# Altium PCB 200330 PRECHARGE R3.PcbDoc (part 3 of 3)
Units mm, origin at the board's own origin, x right, y up, seen from the top; angles counter-clockwise.
Board outline 140 x 119 mm, 4 copper layers (Top Layer, Int1 (GND), Int2 (PWR), Bottom Layer), stack 1.369 mm thick; 247 components, 139 nets, 764 pads, 397 vias.
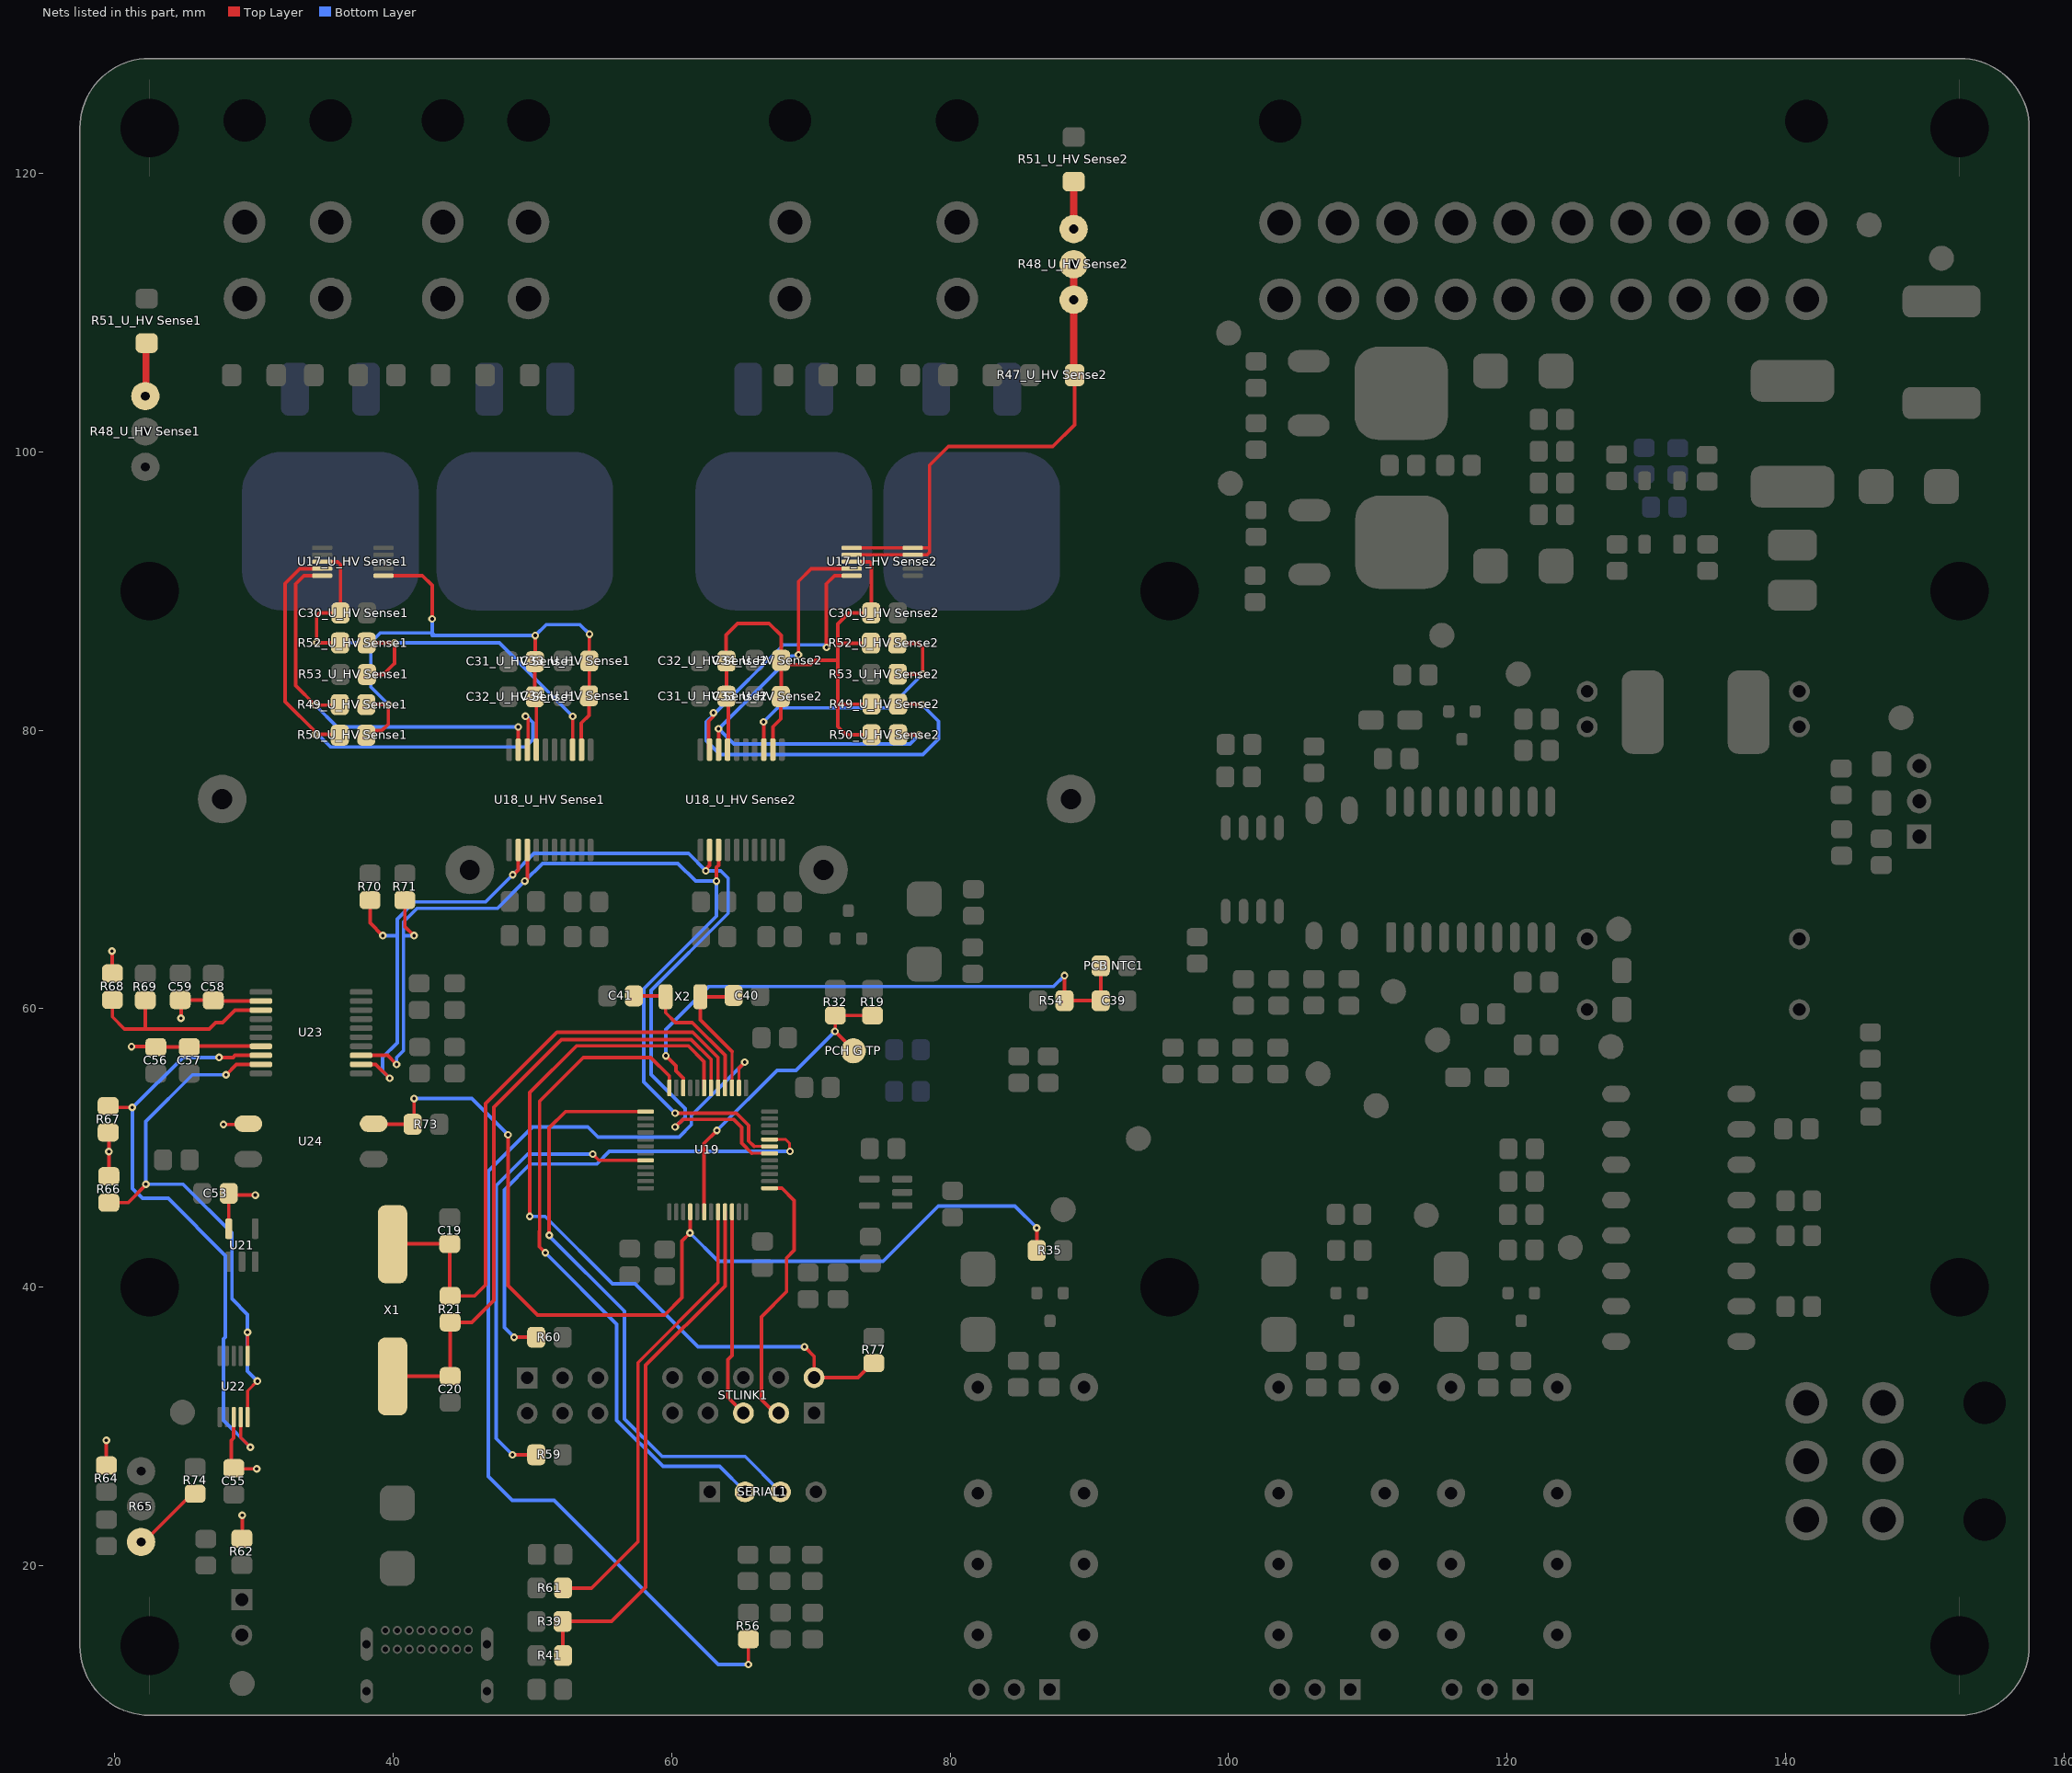
[diagram p5: the nets of this part, all layers, seen from the top]

## Via types
v1: diameter 0.55, hole 0.25, Top Layer to Bottom Layer, tented both sides, 349 vias
v2: diameter 0.66, hole 0.33, Top Layer to Bottom Layer, tented both sides, 47 vias
v3: diameter 0.66, hole 0.33, Top Layer to Bottom Layer, 1 vias

## Nets (pads, with @x,y where several pads share a name; then routed paths per layer and width w, separated by ;. In a path a pad name is that pad's centre, name@x,y a point inside that pad or via, vN(x,y) a via of type N, cw(c..) or ccw(c..) an arc to the next point about the centre after c; other vN are vias at no path point) (continued)
"NetR47_U_HV Sense2_1": "R47_U_HV Sense2.1" "R48_U_HV Sense2.2" "R48_U_HV Sense2.3" "U17_U_HV Sense2.4" "U17_U_HV Sense2.5" "U17_U_HV Sense2.6" "U17_U_HV Sense2.7" | length 40.7
  Top Layer w0.254: 72.925,92.6 77.325,92.6 78.35,92.6 78.525,92.775 78.525,93.1 ; 72.925,93.1 77.525,93.1 78.525,93.1 ; 88.94,105.5 88.94,101.94 87.375,100.375 79.875,100.375 78.525,99.025 78.525,93.1
  Top Layer w0.508: 88.875,113.46 88.875,110.92 88.875,105.565 88.94,105.5
"NetR48_U_HV Sense1_1": "R48_U_HV Sense1.1" "R51_U_HV Sense1.2" | length 3.8
  Top Layer w0.508: 22.2,104 22.25,104.05 22.25,107.75 22.3,107.8
"NetR48_U_HV Sense2_1": "R48_U_HV Sense2.1" "R51_U_HV Sense2.2" | length 3.4
  Top Layer w0.508: 88.875,116 88.875,119.4
"NetR49_U_HV Sense1_1": "R49_U_HV Sense1.1" "U17_U_HV Sense1.10" "U18_U_HV Sense1.19" | length 30.1
  Top Layer w0.254: 34.902,91.1 33.6,91.1 33,90.5 33,83.2 v1(34.4,81.8) 36.125,81.8 36.168,81.843 ; 48.982,78.6 v1(48.982,80.232)
  Bottom Layer w0.254: v1(34.4,81.8) 35.968,80.232 v1(48.982,80.232)
"NetR49_U_HV Sense2_1": "R49_U_HV Sense2.1" "U17_U_HV Sense2.10" "U18_U_HV Sense2.19" | length 44.1
  Top Layer w0.254: 62.72,78.606 62.659,78.667 62.659,80.646 63,80.986 v1(63,81.25) ; v1(71.12,85.954) 71.12,90.52 71.7,91.1 72.925,91.1 ; 76.258,81.874 77.943,81.874 v1(77.978,81.839)
  Bottom Layer w0.254: v1(71.12,85.954) 70.942,86.131 68.021,86.131 63.14,81.25 v1(63,81.25) 63,81.11 62.484,80.594 62.484,79.248 63.475,78.257 78.054,78.257 79.172,79.375 79.172,80.645 v1(77.978,81.839)
"NetR50_U_HV Sense1_1": "R50_U_HV Sense1.1" "U17_U_HV Sense1.9" "U18_U_HV Sense1.18" | length 37.2
  Top Layer w0.254: 34.902,91.6 33.3,91.6 32.25,90.55 32.25,82.05 34.4,79.9 v1(34.4,79.7) 36.11,79.7 36.168,79.642 ; v1(49.504,81.004) 49.694,80.814 49.694,78.661 49.632,78.6
  Bottom Layer w0.254: v1(34.4,79.7) 34.6,79.7 35.5,78.8 49.5,78.8 50.05,79.35 50.05,80.55 v1@49.6,81
"NetR50_U_HV Sense2_1": "R50_U_HV Sense2.1" "U17_U_HV Sense2.9" "U18_U_HV Sense2.18" | length 35.6
  Top Layer w0.254: 63.37,78.606 v1(63.37,80.109) ; v1(69.113,85.42) 69.113,90.688 70.025,91.6 72.925,91.6 ; 76.258,79.674 v1(77.781,79.674)
  Bottom Layer w0.254: v1(69.113,85.42) 69.026,85.333 68.594,85.333 v1(63.37,80.109) 64.46,79.019 77.126,79.019 v1(77.781,79.674)
NetR59_1: R59.1 U19.20 | length 33.4
  Top Layer w0.203: 54.777,49.109 U19.20@58.134,49.109
  Top Layer w0.254: v1(48.569,27.961) R59.1@50.275,27.961 ; v1(54.331,49.555) 54.777,49.109
  Bottom Layer w0.254: v1(48.569,27.961) 47.396,29.134 47.396,47.295 49.657,49.555 v1(54.331,49.555)
NetR60_2: R60.2 U19.44 | length 36.3
  Top Layer w0.203: U19.44@67.034,50.609 68.191,50.609 68.47,50.33 68.47,49.78 v1(68.5,49.75)
  Top Layer w0.254: v1(48.688,36.402) R60.2@50.274,36.402
  Bottom Layer w0.254: v1(48.688,36.402) 47.981,37.109 47.981,46.99 49.835,48.844 54.625,48.844 55.531,49.75 v1(68.5,49.75)
NetR65_3: R65.3 R74.2 | length 5.3
  Top Layer w0.254: R65.3@21.9,21.7 22.091,21.7 25.553,25.162 R74.2@25.774,25.162
NetR66_1: R66.1 U22.1 U22.10 U23.19 | length 41.3
  Top Layer w0.203: U22.10@29.55,30.668 29.55,32.55 v1(30.25,33.25)
  Top Layer w0.254: R66.1@19.584,46.069 20.973,46.069 22.242,47.338 v1(22.242,47.392) ; v1(28,55.25) 28.75,56 U23.19@30.5,56 ; v1(29.54,36.754) 29.545,36.749 29.545,35.072 U22.1@29.55,35.068
  Bottom Layer w0.254: v1(28,55.25) 25.582,55.25 22.242,51.91 v1(22.242,47.392) 24.91,47.392 28.429,43.872 28.429,39.143 29.54,38.032 29.54,33.96 v1(30.25,33.25)
NetR67_1: R67.1 U22.9 U23.18 | length 44.1
  Top Layer w0.254: R67.1@19.532,53.007 19.535,53.01 19.637,52.908 v1(21.26,52.908) ; v1(27.5,56.5) 28.5,56.5 28.65,56.65 U23.18@30.5,56.65 ; U22.9@29.05,30.668 29.054,30.664 29.054,29.196 v1(29.75,28.5)
  Bottom Layer w0.254: v1(27.5,56.5) 24.902,56.5 21.285,52.883 21.285,47.09 22,46.375 23.843,46.375 27.957,42.26 27.957,36.421 27.813,36.277 27.813,30.437 v1(29.75,28.5)
NRST: R77.1 STLINK1.2 U19.7 | length 56
  Top Layer w0.254: v1(49.809,45.085) 49.809,53.975 53.166,57.332 61.207,57.332 62.334,56.205 U19.7@62.334,54.309 ; v1(69.545,35.712) 70.231,35.027 STLINK1.2@70.231,33.503 73.391,33.503 74.426,34.538 R77.1@74.526,34.538
  Bottom Layer w0.254: v1(49.809,45.085) 50.915,45.085 55.75,40.25 57.362,40.25 61.9,35.712 v1(69.545,35.712)
PC13: R56.1 U19.2 | length 72.7
  Top Layer w0.203: U19.2@64.834,54.309 64.834,55.741
  Top Layer w0.254: 64.834,55.741 v1(65.253,56.159) ; v1(65.514,12.895) R56.1@65.514,14.711
  Bottom Layer w0.254: v1(65.253,56.159) 61.418,52.325 61.418,51.663 60.545,50.789 54.711,50.789 53.989,51.511 50.013,51.511 46.838,48.336 46.838,26.412 48.559,24.691 51.56,24.691 63.355,12.895 v1(65.514,12.895)
"PCB TEMP": "PCB NTC1.2" C39.2 R54.1 U19.10 | length 41.8
  Top Layer w0.203: U19.10@60.834,54.309 60.834,55.014
  Top Layer w0.254: v1(59.588,56.617) 60.315,55.89 60.315,55.533 60.834,55.014 ; v1(88.218,62.378) R54.1@88.218,60.576 C39.2@90.818,60.576 90.818,63.076
  Bottom Layer w0.254: v1(59.588,56.617) 59.588,58.504 62.682,61.598 87.438,61.598 v1(88.218,62.378)
"PDOC OK (ISO)": R35.1 R73.1 U19.28 U24.4 | length 73.3
  Top Layer w0.254: U24.4@38.6,51.74 38.64,51.7 R73.1@41.4,51.7 41.504,51.804 v1(41.504,53.543) ; v1(48.247,50.94) 48.247,40.119 50.368,37.998 59.498,37.998 60.75,39.25 60.75,43.326 v1(61.316,43.891) 61.325,43.9 61.325,45.4 U19.28@61.334,45.409 ; R35.1@86.223,42.634 v1(86.223,44.257)
  Bottom Layer w0.254: v1(41.504,53.543) 45.644,53.543 v1(48.247,50.94) ; v1(61.316,43.891) 63.348,41.859 75.184,41.859 79.146,45.822 84.658,45.822 v1(86.223,44.257)
"Precharge Relay (ISO)": "PCH G TP.1" R19.2 R32.1 U19.30 | length 23.4
  Top Layer w0.254: U19.30@62.334,45.409 62.334,50.328 63.25,51.244 v1(63.25,51.25) ; R32.1@71.756,59.515 71.756,58.395 v1(71.73,58.369) 73.05,57.048 73.05,56.972 ; R32.1@71.757,59.515 R19.2@74.42,59.515
  Bottom Layer w0.254: v1(63.25,51.25) 63.25,51.256 67.569,55.575 68.936,55.575 v1(71.73,58.369)
SCL: "U18_U_HV Sense1.2" "U18_U_HV Sense2.2" R70.1 U19.42 U23.2 | length 78.7
  Top Layer w0.203: 65.758,49.609 U19.42@67.034,49.609
  Top Layer w0.254: U23.2@37.7,56 38.75,56 v1(39.75,55) ; R70.1@38.338,67.796 38.338,66.162 v1(39.25,65.25) ; v1(48.59,69.621) 48.641,69.621 48.982,69.963 48.982,71.4 ; v1(60.25,51.5) 60.256,51.5 60.8,52.045 64.461,52.045 65.024,51.482 65.024,50.343 65.758,49.609 ; v1(62.459,69.901) 62.459,70.025 62.72,70.286 62.72,71.406
  Bottom Layer w0.254: v1(39.25,65.25) 40.286,65.25 ; v1(39.75,55) 39.25,55.5 39.25,56.506 40.286,57.542 40.286,65.25 ; v1(60.25,51.5) 60.256,51.5 60.961,52.205 60.961,52.831 58.522,55.27 58.522,61.304 64.059,66.841 64.059,69.367 63.525,69.901 v1(62.459,69.901) 61.214,71.145 50.114,71.145 v1(48.59,69.621) 46.634,67.666 41.517,67.666 40.286,66.434 40.286,65.25
SDA: "U18_U_HV Sense1.3" "U18_U_HV Sense2.3" R71.1 U19.43 U23.3 | length 74.4
  Top Layer w0.203: 65.918,50.109 U19.43@67.034,50.109
  Top Layer w0.254: U23.3@37.7,56.65 39.6,56.65 v1(40.25,56) ; R71.1@40.838,67.796 40.838,65.912 v1(41.5,65.25) ; v1(49.454,69.164) 49.632,69.343 49.632,71.4 ; v1(60.25,52.5) 60.252,52.502 64.651,52.502 65.532,51.62 65.532,50.495 65.918,50.109 ; v1(63.221,69.164) 63.221,70.152 63.37,70.301 63.37,71.406
  Bottom Layer w0.254: v1(40.25,56) 40.25,56.5 40.743,56.993 40.743,65.25 ; v1(41.5,65.25) 40.743,65.25 ; v1(60.25,52.5) 58,54.75 58,61.429 63.221,66.65 v1(63.221,69.164) 61.722,69.164 60.452,70.434 50.724,70.434 v1(49.454,69.164) 47.498,67.208 41.707,67.208 40.743,66.245 40.743,65.25
SWCLK: STLINK1.3 U19.37 | length 19.1
  Top Layer w0.254: U19.37@67.034,47.109 67.92,47.109 68.806,46.223 68.806,42.656 68.25,42.1 68.25,39.675 66.446,37.871 66.446,31.928 67.412,30.963 STLINK1.3@67.691,30.963
SWDIO: STLINK1.5 U19.34 | length 15
  Top Layer w0.254: U19.34@64.334,45.409 64.334,35.084 64.033,34.783 64.033,32.08 STLINK1.5@65.151,30.963
UARTRX: SERIAL1.3 U19.13 | length 43.9
  Top Layer w0.254: v1(51.206,43.732) 51.206,51.435 52.381,52.609 U19.13@58.134,52.609
  Bottom Layer w0.254: v1(51.206,43.732) 51.206,43.688 56.617,38.278 56.617,30.531 59.309,27.838 65.278,27.838 SERIAL1.3@67.818,25.298
UARTTX: SERIAL1.2 U19.12 | length 48.6
  Top Layer w0.254: v1(50.927,42.469) 50.495,42.901 50.495,44.027 50.521,44.052 50.521,53.365 53.655,56.5 58.5,56.5 59.834,55.166 U19.12@59.834,54.309
  Bottom Layer w0.254: v1(50.927,42.469) 56.058,37.338 56.058,30.443 59.374,27.127 63.449,27.127 SERIAL1.2@65.278,25.298
USBDM: R61.2 U19.32 | length 32.8
  Top Layer w0.254: R61.2@52.203,18.389 54.254,18.389 57.582,21.717 57.582,34.582 63.334,40.334 U19.32@63.334,45.409
USBDP: R39.1 R41.2 U19.33 | length 38.8
  Top Layer w0.254: R41.2@52.203,13.536 52.179,13.561 R39.1@52.179,15.994 55.694,15.994 58.141,18.441 58.141,34.391 63.834,40.084 U19.33@63.834,45.409
VDDISO: C53.2 C55.1 C56.2 C57.2 C58.2 C59.1 R62.2 R64.2 R66.2 R67.2 R68.2 U21.5 U22.8 U23.12 U23.17 U24.1 | length 36.6
  Top Layer w0.254: R64.2@19.4,27.2 19.329,27.271 19.4,27.341 v1(19.4,29) ; R67.2@19.532,51.107 19.584,51.054 v1(19.584,49.733) R66.2@19.584,47.969 ; v1(19.812,64.135) 19.812,62.559 R68.2@19.838,62.533 ; v1(21.209,57.277) 22.92,57.277 C56.2@22.956,57.241 C57.2@25.356,57.241 25.443,57.328 30.472,57.328 U23.17@30.5,57.3 ; v1(24.765,59.309) 24.765,60.57 C59.1@24.713,60.621 27.058,60.621 C58.2@27.082,60.597 27.129,60.55 U23.12@30.5,60.55 ; v1(27.813,51.689) 29.549,51.689 U24.1@29.6,51.74 ; U21.5@28.194,44.196 C53.2@28.194,46.736 28.321,46.609 v1(30.099,46.609) ; U22.8@28.55,30.668 28.55,29.164 28.372,28.986 28.372,27.178 C55.1@28.55,27 28.6,26.949 v1(30.201,26.949) ; R62.2@29.134,21.941 29.159,21.966 v1(29.159,23.622)
"VDDISO_U_HV Sense1": "C30_U_HV Sense1.1" "C31_U_HV Sense1.2" "C32_U_HV Sense1.2" "C33_U_HV Sense1.2" "C34_U_HV Sense1.1" "R49_U_HV Sense1.2" "R50_U_HV Sense1.2" "R52_U_HV Sense1.2" "U17_U_HV Sense1.1" "U17_U_HV Sense1.8" "U18_U_HV Sense1.12" "U18_U_HV Sense1.17" | length 65
  Top Layer w0.254: 34.902,92.1 36,92.1 36.216,91.884 36.216,88.422 34.722,88.422 34.5,88.2 v1(34.5,86.3) 34.526,86.274 36.192,86.274 ; 38.068,79.642 38.391,79.966 39.18,79.966 39.657,80.443 v1(39.657,81.857) 38.082,81.857 38.068,81.843 ; 39.302,91.1 42.1,91.1 42.8,90.4 v1(42.8,88) ; v1(50.2,86.8) 50.2,84.906 50.18,84.927 50.18,82.401 50.286,82.295 50.286,78.603 50.282,78.6 ; 53.532,78.6 53.514,78.618 53.514,80.514 54.062,81.062 54.062,82.473 54.086,82.498 54.086,84.968 54.086,86.886 v1(54.1,86.9)
  Bottom Layer w0.254: v1(34.5,86.3) 38.4,86.3 ; v1(39.657,81.857) 38.4,83.114 38.4,86.3 ; v1(42.8,88) 42.8,86.886 ; 42.9,86.886 42.8,86.886 ; v1(54.1,86.9) 53.414,87.586 50.986,87.586 v1(50.2,86.8) 42.8,86.8 42.8,86.886 ; 38.4,86.3 39.085,86.985 42.7,86.985 42.8,86.886
"VDDISO_U_HV Sense2": "C30_U_HV Sense2.1" "C31_U_HV Sense2.2" "C32_U_HV Sense2.2" "C33_U_HV Sense2.2" "C34_U_HV Sense2.1" "R49_U_HV Sense2.2" "R50_U_HV Sense2.2" "R52_U_HV Sense2.2" "U17_U_HV Sense2.8" "U18_U_HV Sense2.12" "U18_U_HV Sense2.17" | length 48.4
  Top Layer w0.254: 64.02,78.606 64.082,78.667 64.082,82.298 63.938,82.442 63.938,84.968 63.9,85.006 63.9,86.85 64.725,87.675 67,87.675 67.862,86.813 67.862,85.02 ; 67.27,78.606 67.27,80.25 67.838,80.817 67.838,82.421 67.862,82.445 67.862,85.02 ; 72.925,92.1 74.226,92.1 74.345,91.981 74.345,88.433 74.334,88.422 72.722,88.422 71.942,87.642 71.942,86.253 ; 74.309,86.253 71.942,86.253 ; 74.358,79.674 72.523,79.674 71.942,80.255 71.942,81.874 ; 74.358,81.874 71.942,81.874 ; 67.862,85.02 68.173,84.709 69.999,84.709 70.31,85.02 71.942,85.02 ; 71.942,81.874 71.942,85.02 ; 71.942,85.02 71.942,86.253
VSEL: R68.1 R69.2 U23.13 | length 14.9
  Top Layer w0.254: R68.1@19.838,60.633 19.838,59.41 20.701,58.547 22.225,58.547 ; R69.2@22.199,60.609 22.199,58.573 22.225,58.547 ; U23.13@30.5,59.9 28.65,59.9 27.75,59 27.25,59 26.797,58.547 22.225,58.547
"VSEL_U_HV Sense1": "R52_U_HV Sense1.1" "R53_U_HV Sense1.2" "U18_U_HV Sense1.13" | length 23.2
  Top Layer w0.254: 38.092,86.274 v1(40.1,86.274) 40.1,84.8 40.048,84.748 39.301,84.001 38.116,84.001 ; 52.882,78.6 52.9,78.618 v1(52.9,81)
  Bottom Layer w0.254: v1(40.1,86.274) 47.626,86.274 v1(52.9,81)
"VSEL_U_HV Sense2": "R52_U_HV Sense2.1" "R53_U_HV Sense2.2" "U18_U_HV Sense2.13" | length 20.5
  Top Layer w0.254: v1(66.599,80.594) 66.62,80.573 66.62,78.606 ; 76.209,86.253 77.722,86.253 78.029,85.946 v1(78.029,84.023) 76.235,84.023 76.234,84.022
  Bottom Layer w0.254: v1(66.599,80.594) 67.615,81.61 75.616,81.61 v1(78.029,84.023)
XTALA: C19.2 R21.2 U19.5 X1.2 | length 45.5
  Top Layer w0.203: U19.5@63.334,54.309 63.334,56.498
  Top Layer w0.254: X1.2@39.958,43.085 39.978,43.105 C19.2@44.064,43.105 44.064,39.399 R21.2@44.095,39.367 45.844,39.367 46.634,40.157 46.634,53.184 51.768,58.318 61.514,58.318 63.334,56.498
XTALB: C20.2 R21.1 U19.6 X1.1 | length 45.9
  Top Layer w0.203: U19.6@62.834,54.309 62.834,56.352
  Top Layer w0.254: X1.1@39.958,33.585 39.978,33.605 C20.2@44.095,33.605 R21.1@44.095,37.467 45.646,37.467 47.225,39.046 47.225,52.925 52.089,57.789 61.397,57.789 62.834,56.352
XTALC: C40.2 U19.3 X2.1 | length 9.9
  Top Layer w0.203: U19.3@64.334,54.309 64.334,56.925
  Top Layer w0.254: 64.334,56.925 62.063,59.196 X2.1@62.063,60.858 64.361,60.858 C40.2@64.449,60.946
XTALD: C41.2 U19.4 X2.2 | length 11.3
  Top Layer w0.254: C41.2@57.287,60.92 59.501,60.92 X2.2@59.563,60.858 59.563,59.715 60.278,59 61.479,59 63.834,56.645 U19.4@63.834,54.309
pads on no net: "AMS Bypass1.1" "HV BATTERY+." "HV BATTERY-." "HV IMD+." "HV IMD-." "HV MC+." "HV MC-." "IMD Bypass1.1" "PDOC Bypass1.1" "PRIMARY INTERFACE." "U17_U_HV Sense1.2" "U17_U_HV Sense2.2" "U18_U_HV Sense1.6" "U18_U_HV Sense1.15" "U18_U_HV Sense2.6" "U18_U_HV Sense2.15" K1.4 K1.6 K1.8 K1.11 K3.4 K3.6 K3.8 K3.11 K4.4 K4.6 K4.8 K4.11 P1. P2.A8 P2.B8 P2.P2 P2.P3 P2.P4 R11. R14. R16. R17. STLINK1.4 STLINK1.6 STLINK1.9 STLINK1.10 U1.2 U1.14 U5.9 U5.11 U19.11 U19.14 U19.15 U19.16 U19.17 U19.27 U19.40 U19.41 U22.2 U22.6 U22.7 U23.6 U23.15
copper on no net: | length 0.1
  Top Layer w0.254: 122.667,20.727 122.725,20.67
  other v2: 139.925,40.45

## Polygon pours and split planes (outlines as drawn)
GNDISO on Top Layer "Top Layer-GNDISO" (solid, remove dead copper, pour order 78): 17.5,67 31.1,67 31.1,9.25 17.5,9.25
"0V (ISO)" on Top Layer "Top Layer-0V (ISO)" (solid, remove dead copper, pour order 74): 37.1,72 37.1,9.25 72.3,9.25 72.3,32 129.3,32 129.3,67 105.8,67 98.7,67 85.4,67 80.4,72
GLV- on Top Layer "Top Layer-GLV-" (solid, remove dead copper, pour order 70): 98.7,128.225 98.7,73 105.8,73 135.4,73 135.4,26 78.3,26 78.3,9.25 157.5,9.25 157.5,128.253
NetD4_A on Top Layer "Top Layer-NetD4_A" (solid, pour order 48): 69.5,72 80.4,72 83.5,68.9 83.5,66 69.5,66
GLV- on Top Layer "Top Layer-GLV- 3" (solid, pour order 66): 136,108 147,108 147,102 136,102
NetC21_2 on Top Layer "Top Layer-No Net 3" (solid, pour order 68): 136.25,100.25 148.5,100.25 148.5,94 146,91.5 136.25,91.5
"3.3V (ISO)" on Top Layer "Top Layer-3.3V (ISO) 1" (solid, pour order 58): 71.5,47 75.5,47 75.5,42.5 71.5,42.5
GLV- on Top Layer "Top Layer-GLV- 4" (solid, pour order 56): 134.5,85 142.5,85 142.5,77.5 134.5,77.5
12V/24V on Top Layer "Top Layer-12V/24V 2" (solid, pour order 54): 124.5,85 132.5,85 132.5,77.5 124.5,77.5
GLV- on Top Layer "Top Layer-GLV- 5" (solid, pour order 52): 103.3,92.55 108.3,92.55 108.3,88.05 103.3,88.05
GLV- on Top Layer "Top Layer-GLV- 6" (solid, pour order 50): 103.25,103.25 108.25,103.25 108.25,98.75 103.25,98.75
no net on Top Layer "Top Layer-No Net 4" (solid, pour order 64): 136.7,107.8
no net on Top Layer "Top Layer-No Net 5" (solid, pour order 62): 136.7,107.8
no net on Top Layer "Top Layer-No Net 6" (solid, pour order 60): 136.7,107.8
GNDISO on Bottom Layer "Bottom Layer-GNDISO" (solid, remove dead copper, pour order 82): 17.5,67 31.1,67 31.1,9.25 17.5,9.25
"0V (ISO)" on Bottom Layer "Bottom Layer-0V (ISO)" (solid, remove dead copper, pour order 76): 37.1,72 37.1,9.25 72.3,9.25 72.3,32 129.3,32 129.3,67 105.8,67 98.7,67 85.375,67 80.375,72
GLV- on Bottom Layer "Bottom Layer-GLV-" (solid, remove dead copper, pour order 72): 98.7,128.25 98.7,73 105.8,73 135.4,73 135.4,26 78.3,26 78.3,9.25 157.5,9.25 157.5,128.25
no net on Top Overlay (solid): 17.5,67
GNDISO on Int1 (GND) (split plane): 31.098,65.656 31.098,9.76 22.5,9.76 22.482,9.758 22.206,9.767 21.914,9.796 21.624,9.844 21.337,9.911 21.056,9.996 20.781,10.1 20.513,10.221 20.254,10.36 20.004,10.515 19.765,10.686 19.538,10.873 19.324,11.074 19.123,11.288 18.936,11.515 18.765,11.754 18.61,12.004 18.471,12.263 18.35,12.531 18.246,12.806 18.161,13.087 18.094,13.374 18.046,13.664 18.018,13.956 18.008,14.232 18.01,14.25 18.01,66.998 29.756,66.998
GLV- on Int1 (GND) (split plane): 152.794,127.733 153.086,127.704 153.376,127.656 153.663,127.589 153.944,127.504 154.219,127.4 154.487,127.279 154.746,127.14 154.996,126.985 155.235,126.814 155.462,126.627 155.676,126.426 155.877,126.212 156.064,125.985 156.235,125.746 156.39,125.496 156.529,125.237 156.65,124.969 156.754,124.694 156.839,124.413 156.906,124.126 156.954,123.836 156.982,123.544 156.992,123.268 156.99,123.25 156.99,14.25 156.992,14.232 156.982,13.956 156.954,13.664 156.906,13.374 156.839,13.087 156.754,12.806 156.65,12.531 156.529,12.263 156.39,12.004 156.235,11.754 156.064,11.515 155.877,11.288 155.676,11.074 155.462,10.873 155.235,10.686 154.996,10.515 154.746,10.36 154.487,10.221 154.219,10.1 153.944,9.996 153.663,9.911 153.376,9.844 153.086,9.796 152.794,9.767 152.518,9.758 152.5,9.76 78.302,9.76 78.302,25.998 135.4,26 135.4,73 98.752,73.002 98.752,125.24 98.752,127.74 152.5,127.74 152.518,127.742
"0V (ISO)" on Int1 (GND) (split plane): 85.356,66.998 129.398,66.998 129.398,32.002 129.375,32.025 72.3,32.025 72.3,9.763 72.3,9.76 37.102,9.76 37.102,71.998 80.356,71.998
VDDISO on Int2 (PWR) (split plane): 31,67 31,9.76 22.5,9.76 22.482,9.758 22.206,9.767 21.914,9.796 21.624,9.844 21.337,9.911 21.056,9.996 20.781,10.1 20.513,10.221 20.254,10.36 20.004,10.515 19.765,10.686 19.538,10.873 19.324,11.074 19.123,11.288 18.936,11.515 18.765,11.754 18.61,12.004 18.471,12.263 18.35,12.531 18.246,12.806 18.161,13.087 18.094,13.374 18.046,13.664 18.018,13.956 18.008,14.232 18.01,14.25 18.01,67
"5V (ISO)" on Int2 (PWR) (split plane): 85.259,67 129.3,67 129.3,32.005 129.277,32.027 72.202,32.027 72.202,9.76 37.005,9.76 37.005,72 80.259,72
5V on Int2 (PWR) (split plane): 152.794,127.733 153.086,127.704 153.376,127.656 153.663,127.589 153.944,127.504 154.219,127.4 154.487,127.279 154.746,127.14 154.996,126.985 155.235,126.814 155.462,126.627 155.676,126.426 155.877,126.212 156.064,125.985 156.235,125.746 156.39,125.496 156.529,125.237 156.65,124.969 156.754,124.694 156.839,124.413 156.906,124.126 156.954,123.836 156.982,123.544 156.992,123.268 156.99,123.25 156.99,14.25 156.992,14.232 156.982,13.956 156.954,13.664 156.906,13.374 156.839,13.087 156.754,12.806 156.65,12.531 156.529,12.263 156.39,12.004 156.235,11.754 156.064,11.515 155.877,11.288 155.676,11.074 155.462,10.873 155.235,10.686 154.996,10.515 154.746,10.36 154.487,10.221 154.219,10.1 153.944,9.996 153.663,9.911 153.376,9.844 153.086,9.796 152.794,9.767 152.518,9.758 152.5,9.76 78.205,9.76 78.205,26 135.302,26.002 135.302,43.418 135.308,43.408 135.35,43.38 135.4,43.371 151.5,43.371 151.55,43.38 151.592,43.408 151.62,43.45 151.629,43.5 151.62,43.55 151.592,43.592 151.55,43.62 151.5,43.629 135.4,43.629 135.35,43.62 135.308,43.592 135.302,43.582 135.302,73.002 98.655,73.005 98.655,90.371 126.621,90.371 126.621,89.5 126.63,89.45 126.658,89.408 126.7,89.38 126.75,89.371 126.8,89.38 126.842,89.408 126.87,89.45 126.879,89.5 126.879,90.5 126.879,127.74 152.5,127.74 152.518,127.742
"3.3V (ISO)" on Int2 (PWR) (split plane): 75.371,52.446 75.371,37.129 66.5,37.129 66.45,37.12 66.408,37.092 66.38,37.05 66.371,37 66.371,21.129 58.054,21.129 53.092,26.092 53.05,26.12 53,26.129 48.554,26.129 46.629,28.054 46.629,53.946 51.554,58.871 68.946,58.871
"AIR Power" on Int2 (PWR) (split plane): 126.621,90.629 98.655,90.629 98.655,127.74 126.621,127.74

## Keep-outs
Keep-Out Layer:
  circle w0.254: c152.5,123.25 r5
  circle w0.254: c152.5,90 r5
  circle w0.254: c152.5,40 r5
  circle w0.254: c152.5,14.25 r5
  circle w0.254: c22.5,14.25 r5
  circle w0.254: c22.5,123.25 r4.8
  circle w0.254: c95.75,90 r5
  circle w0.254: c95.75,40 r5
  circle w0.254: c22.5,40 r5
  circle w0.254: c22.5,90 r5
  lines w0.254: 17.5,14.25 ccw(c22.5,14.25) 22.5,9.25 152.5,9.25 ccw(c152.5,14.25) 157.5,14.25 157.5,123.25 ccw(c152.5,123.25) 152.5,128.25 22.5,128.25 ccw(c22.5,123.25) 17.5,123.25 17.5,14.25

## Other copper
Top Layer:
  drawing of 44 lines, arcs and shapes, not listed
  text "Team Swinburne" at 124.599,16.788 h3.05
  text "Team Swinburne" at 124.599,16.788 h3.05
  text "Formula SAE" at 135.775,15.391 h1.78
  text "Formula SAE" at 135.775,15.391 h1.78
  text "Precharge Controller R3" at 136.95,14.502 h1.02
  text "Precharge Controller R3" at 136.95,14.502 h1.02
  text "26/02/2020 - P.M.C" at 139.065,13.513 h1.02
  text "26/02/2020 - P.M.C" at 139.065,13.513 h1.02
Bottom Layer:
  drawing of 48 lines, arcs and shapes, not listed
Int1 (GND) (plane layer: these items are gaps in the copper):
  rectangle: 69.215,24.105 71.577,26.492
  rectangle: 69.037,29.769 71.399,32.029
  rectangle: 53.467,29.845 55.829,34.569
  rectangle: 37.4,12.55 47.65,16.625
  rectangle: 46.175,13.05 47.35,15.65
  rectangle: 139.725,114.725 143.2,118.15
  rectangle: 118.725,114.725 122.2,118.15
  rectangle: 110.325,109.225 113.8,112.65
  rectangle: 101.925,109.225 105.4,112.65
  rectangle: 125,11 135.35,16.3
  rectangle: 145.443,15.291 146.713,18.72
  rectangle: 145.443,15.291 146.713,18.72
  region: 101.95,111.225
  region: 18.01,66.998 29.756,66.998 31.098,65.656 31.098,9.76 37.102,9.76 37.102,71.998 80.356,71.998 85.356,66.998 129.398,66.998 129.398,32.002 129.375,32.025 72.3,32.025 72.3,9.763 78.302,9.76 78.302,25.998 135.4,26 135.4,73 98.752,73.002 98.752,125.24 98.242,125.75 17.5,125.75
  region: 18.01,66.998 29.756,66.998 31.098,65.656 31.098,9.76 37.102,9.76 37.102,71.998 80.356,71.998 85.356,66.998 129.398,66.998 129.398,32.002 129.375,32.025 72.3,32.025 72.3,9.763 78.302,9.76 78.302,25.998 135.4,26 135.4,73 98.752,73.002 98.752,125.24 98.242,125.75 17.5,125.75
  region: 18.01,66.998 29.756,66.998 31.098,65.656 31.098,9.25 37.102,9.25 37.102,71.998 80.356,71.998 85.356,66.998 129.398,66.998 129.398,32.002 129.375,32.025 72.3,32.025 72.3,9.231 78.302,9.228 78.302,25.998 135.4,26 135.4,73 98.752,73.002 98.752,128.25 17.478,128.25
  text "Team Swinburne" at 124.599,16.788 h3.05
  text "Team Swinburne" at 124.599,16.788 h3.05
  text "Formula SAE" at 135.775,15.391 h1.78
  text "Formula SAE" at 135.775,15.391 h1.78
  text "Precharge Controller R3" at 136.95,14.502 h1.02
  text "Precharge Controller R3" at 136.95,14.502 h1.02
  text "26/02/2020 - P.M.C" at 139.065,13.513 h1.02
  text "26/02/2020 - P.M.C" at 139.065,13.513 h1.02
Int2 (PWR) (plane layer: these items are gaps in the copper):
  drawing of 55 lines, arcs and shapes, not listed

## Silkscreen, mask and mechanical layers (free items; w line width, h text height)
Top Overlay:
  drawing of 71 lines, arcs and shapes, not listed
  text "GLV-" at 140.25,114 h0.8
  text "GLV+" at 140.25,108.5 h0.8
  text "AIR-" at 116.45,101.325 h1.2
  text "HIGH VOLTAGE" at 34.013,95.451 h0.97
  text "HIGH VOLTAGE" at 71.745,95.216 h0.97
  text "AIR+" at 116.325,94.725 h1.2
  text "M4" at 18.525,81.7 h0.8
  text "USE NON-CONDUCTIVE MATERIALS FOR MOUNTING IMD" at 18.525,77.25 h0.8
  text "FB+" at 101.3,53.175 h0.8
  text "FB-" at 96.275,53.125 h0.8
  text "IMD DATA" at 149.025,51.775 h0.8 r90
  text "PDOC" at 84.2,30.5 h0.8
  text "AMS" at 106.175,30.475 h0.8
  text "IMD" at 118.35,30.475 h0.8
  text "TX" at 67.05,22.775 h0.8
  text "PC13" at 63.775,22.75 h0.8
  text "RX" at 69.4,22.725 h0.8
  text "Team Swinburne" at 124.599,16.788 h3.05
  text "Formula SAE" at 135.775,15.391 h1.78
  text "Precharge Controller R3" at 136.95,14.502 h1.02
  text "30/03/2020 - P.M.C" at 139.065,13.513 h1.02
Bottom Overlay:
  circle w0.254: c152.5,14.25 r5
  circle w0.254: c152.5,40 r5
  circle w0.254: c152.5,123.25 r5
  circle w0.254: c152.5,90 r5
  circle w0.254: c95.75,90 r5
  circle w0.254: c22.5,14.25 r5
  circle w0.254: c22.5,40 r5
  circle w0.254: c95.75,40 r5
  circle w0.254: c22.5,123.25 r5
  circle w0.254: c22.5,90 r4.505
  circle w0.254: c22.5,90 r5
  rectangle: 83.322,9.83 88.419,12.375
  rectangle: 104.915,9.83 110.012,12.375
  rectangle: 117.3,9.825 122.397,12.37
  region: 27.115,100 27.598,101.69 27.085,101.488 27.388,102.551 27.616,102.551 27.217,102.949 26.819,102.551 27.001,102.551 26.5,100.956 27.138,101.275 26.5,100
  region: 89.416,101.785 89.899,103.476 89.386,103.273 89.69,104.336 89.917,104.336 89.519,104.735 89.12,104.336 89.303,104.336 88.801,102.742 89.439,103.061 88.801,101.785
  lines w0.254: 17.5,67 31.1,67 31.1,9.25 ; 17.5,73 28.8,73 33.8,78 55.5,78 55.5,126.2 ; 26.848,109.686 28.073,109.686 ; 36.85,109.825 38.075,109.825 ; 37.1,9.25 37.1,72 80.4,72 85.4,67 98.7,67 98.7,68 99.7,68 104.8,68 105.8,67 129.3,67 129.3,32.025 72.3,32.025 72.3,9.25 ; 40.388,109.9 41.613,109.9 ; 41,109.288 41,110.513 ; 52.113,109.9 53.338,109.9 ; 52.725,109.288 52.725,110.513 ; 61.5,126.2 61.5,78 82.8,78 87.8,73 ; 70.687,110.1 71.912,110.1 ; 71.3,109.488 71.3,110.712 ; 76.9,110.075 78.125,110.075 ; 78.3,9.25 78.3,26 135.4,26 135.4,73 110,73 105.8,73 104.8,72 98.7,72 98.7,73 98.7,125.75 ; 92.7,128.25 92.7,73 87.8,73 ; 87.8,73 87.8,73
  lines w0.486: 86,105.25 89.262,99.76 92.479,105.25 ; 86.09,105.25 92.569,105.25 ; 23.699,103.465 26.961,97.975 30.177,103.465 23.699,103.465
  text "BIAS ADJUST" at 90.25,120.25 h0.8
  text "BIAS ADJUST" at 23.444,108.229 h0.8
  text "BATTERY" at 79.225,107.05 h1.5
  text "MOTOR CONTROLLER" at 52.025,106.9 h1.5
  text "OPTIONAL CAN TERM" at 134.5,101.75 h0.8
  text "-" at 120.05,100.9 h0.8
  text "+" at 120.05,96.35 h0.8
  text "OPTIONAL CAN PULLUP" at 74.525,52.5 h0.8
  text "0" at 57.225,32.95 h0.8
  text "1" at 57.075,30.4 h0.8
  text "1" at 49.925,28.325 h0.8
  text "3.3" at 63.725,28.325 h0.8
  text "0" at 55.05,28.3 h0.8
  text "DIO" at 66.275,28.275 h0.8
  text "CLK" at 68.85,28.25 h0.8
  text "0" at 70.6,28.225 h0.8
  text "PDOC REF ADJUST" at 28.372,23.012 h0.8
  text "3.3" at 63.725,22.575 h0.8
  text "0" at 70.85,22.475 h0.8
  text "RX (PA3)" at 70.55,21.3 h0.8
  text "TX  / (PA2)" at 66.25,21.25 h0.8
Drill Drawing:
  drawing of 163 lines, arcs and shapes, not listed
  text "Symbol" at 9.773,201.54 h1.83
  text "Count" at 22.622,201.54 h1.83
  text "Hole Size" at 37.858,201.54 h1.83
  text "Plated" at 67.06,201.54 h1.83
  text "Hole Type" at 79.909,201.54 h1.83
  text "Drill Layer Pair" at 98.548,201.54 h1.83
  text "Via/Pad" at 136.636,201.54 h1.83
  text "Pad Shape" at 151.618,201.54 h1.83
  text "Template" at 170.562,201.54 h1.83
  text "Description" at 199.763,201.54 h1.83
  text "Hole Tolerance (+)" at 221.449,201.54 h1.83
  text "Hole Tolerance (-)" at 255.322,201.54 h1.83
  text "Hole Length" at 289.196,201.54 h1.83
  text "Routed Path Length" at 316.874,201.54 h1.83
  text "2" at 22.622,197.73 h1.52
  text "23.62mil (0.600mm)" at 37.858,197.73 h1.52
  text "PTH" at 67.06,197.73 h1.52
  text "Slot" at 79.909,197.73 h1.52
  text "Top Layer - Bottom Layer" at 98.548,197.73 h1.52
  text "Pad" at 136.636,197.73 h1.52
  text "Rounded" at 151.618,197.73 h1.52
  text "r170_90h60_140r100" at 170.562,197.73 h1.52
  text "55.12mil (1.400mm)" at 289.196,197.73 h1.52
  text "31.50mil (0.800mm)" at 316.874,197.73 h1.52
  text "2" at 22.622,193.92 h1.52
  text "23.62mil (0.600mm)" at 37.858,193.92 h1.52
  text "PTH" at 67.06,193.92 h1.52
  text "Slot" at 79.909,193.92 h1.52
  text "Top Layer - Bottom Layer" at 98.548,193.92 h1.52
  text "Pad" at 136.636,193.92 h1.52
  text "Rounded" at 151.618,193.92 h1.52
  text "r240_90h60_210r100" at 170.562,193.92 h1.52
  text "82.68mil (2.100mm)" at 289.196,193.92 h1.52
  text "59.06mil (1.500mm)" at 316.874,193.92 h1.52
  text "3" at 22.622,190.11 h1.52
  text "39.37mil (1.000mm)" at 37.858,190.11 h1.52
  text "PTH" at 67.06,190.11 h1.52
  text "Round" at 79.909,190.11 h1.52
  text "Top Layer - Bottom Layer" at 98.548,190.11 h1.52
  text "Pad" at 136.636,190.11 h1.52
  text "(Mixed)" at 151.618,190.11 h1.52
  text "(Mixed)" at 170.562,190.11 h1.52
  text "-" at 289.196,190.11 h1.52
  text "-" at 316.874,190.11 h1.52
  text "4" at 22.622,186.3 h1.52
  text "57.09mil (1.450mm)" at 37.858,186.3 h1.52
  text "PTH" at 67.06,186.3 h1.52
  text "Round" at 79.909,186.3 h1.52
  text "Top Layer - Bottom Layer" at 98.548,186.3 h1.52
  text "Pad" at 136.636,186.3 h1.52
  text "Rounded" at 151.618,186.3 h1.52
  text "c350h145" at 170.562,186.3 h1.52
  text "-" at 289.196,186.3 h1.52
  text "-" at 316.874,186.3 h1.52
  text "9" at 22.622,182.49 h1.52
  text "25.20mil (0.640mm)" at 37.858,182.49 h1.52
  text "PTH" at 67.06,182.49 h1.52
  text "Round" at 79.909,182.49 h1.52
  text "Top Layer - Bottom Layer" at 98.548,182.49 h1.52
  text "Pad" at 136.636,182.49 h1.52
  text "Rounded" at 151.618,182.49 h1.52
  text "c203h64" at 170.562,182.49 h1.52
  text "-" at 289.196,182.49 h1.52
  text "-" at 316.874,182.49 h1.52
  text "10" at 22.622,178.68 h1.52
  text "120.08mil (3.050mm)" at 37.858,178.68 h1.52
  text "PTH" at 67.06,178.68 h1.52
  text "Round" at 79.909,178.68 h1.52
  text "Top Layer - Bottom Layer" at 98.548,178.68 h1.52
  text "Pad" at 136.636,178.68 h1.52
  text "Rounded" at 151.618,178.68 h1.52
  text "c152h305" at 170.562,178.68 h1.52
  text "-" at 289.196,178.68 h1.52
  text "-" at 316.874,178.68 h1.52
  text "10" at 22.622,174.87 h1.52
  text "165.35mil (4.200mm)" at 37.858,174.87 h1.52
  text "NPTH" at 67.06,174.87 h1.52
  text "Round" at 79.909,174.87 h1.52
  text "Top Layer - Bottom Layer" at 98.548,174.87 h1.52
  text "Pad" at 136.636,174.87 h1.52
  text "Rounded" at 151.618,174.87 h1.52
  text "(Mixed)" at 170.562,174.87 h1.52
  text "-" at 289.196,174.87 h1.52
  text "-" at 316.874,174.87 h1.52
  text "12" at 22.622,171.06 h1.52
  text "70.87mil (1.800mm)" at 37.858,171.06 h1.52
  text "PTH" at 67.06,171.06 h1.52
  text "Round" at 79.909,171.06 h1.52
  text "Top Layer - Bottom Layer" at 98.548,171.06 h1.52
  text "Pad" at 136.636,171.06 h1.52
  text "Rounded" at 151.618,171.06 h1.52
  text "c300h180" at 170.562,171.06 h1.52
  text "-" at 289.196,171.06 h1.52
  text "-" at 316.874,171.06 h1.52
  text "16" at 22.622,167.25 h1.52
  text "15.75mil (0.400mm)" at 37.858,167.25 h1.52
  text "PTH" at 67.06,167.25 h1.52
  text "Round" at 79.909,167.25 h1.52
  text "Top Layer - Bottom Layer" at 98.548,167.25 h1.52
  text "Pad" at 136.636,167.25 h1.52
  text "Rounded" at 151.618,167.25 h1.52
  text "c65h40" at 170.562,167.25 h1.52
  text "-" at 289.196,167.25 h1.52
  text "-" at 316.874,167.25 h1.52
  text "26" at 22.622,163.44 h1.52
  text "72.84mil (1.850mm)" at 37.858,163.44 h1.52
  text "PTH" at 67.06,163.44 h1.52
  text "Round" at 79.909,163.44 h1.52
  text "Top Layer - Bottom Layer" at 98.548,163.44 h1.52
  text "Pad" at 136.636,163.44 h1.52
  text "Rounded" at 151.618,163.44 h1.52
  text "c300h185" at 170.562,163.44 h1.52
  text "-" at 289.196,163.44 h1.52
  text "-" at 316.874,163.44 h1.52
  text "48" at 22.622,159.63 h1.52
  text "13.00mil (0.330mm)" at 37.858,159.63 h1.52
  text "PTH" at 67.06,159.63 h1.52
  text "Round" at 79.909,159.63 h1.52
  text "Top Layer - Bottom Layer" at 98.548,159.63 h1.52
  text "Via" at 136.636,159.63 h1.52
  text "Rounded" at 151.618,159.63 h1.52
  text "(Mixed)" at 170.562,159.63 h1.52
  text "-" at 289.196,159.63 h1.52
  text "-" at 316.874,159.63 h1.52
  text "63" at 22.622,155.82 h1.52
  text "35.43mil (0.900mm)" at 37.858,155.82 h1.52
  text "PTH" at 67.06,155.82 h1.52
  text "Round" at 79.909,155.82 h1.52
  text "Top Layer - Bottom Layer" at 98.548,155.82 h1.52
  text "Pad" at 136.636,155.82 h1.52
  text "(Mixed)" at 151.618,155.82 h1.52
  text "(Mixed)" at 170.562,155.82 h1.52
  text "-" at 289.196,155.82 h1.52
  text "-" at 316.874,155.82 h1.52
  text "349" at 22.622,152.01 h1.52
  text "9.84mil (0.250mm)" at 37.858,152.01 h1.52
  text "PTH" at 67.06,152.01 h1.52
  text "Round" at 79.909,152.01 h1.52
  text "Top Layer - Bottom Layer" at 98.548,152.01 h1.52
  text "Via" at 136.636,152.01 h1.52
  text "Rounded" at 151.618,152.01 h1.52
  text "v55h25m0mx0" at 170.562,152.01 h1.52
  text "-" at 289.196,152.01 h1.52
  text "-" at 316.874,152.01 h1.52
  text "554 Total" at 22.622,148.2 h1.52
  text "Slot definitions :" at 9.773,144.518 h1.52
  text "Routed Path Length" at 36.003,144.518 h1.52
  text "= Calculated from tool start centre position to tool end centre position." at 64.011,144.518 h1.52
  text "Hole Length" at 36.003,141.978 h1.52
  text "= Routed Path Length + Tool Size = Slot length as defined in the PCB layout" at 53.601,141.978 h1.52
  text "FABRICATION NOTES" at 169.359,132.472 h3
  text "1. QUANTITY: 5" at 169.359,127.376 h3
  text "2. SIZE:" at 169.359,122.279 h3
  text "3. LAYERS: 4" at 169.359,117.183 h3
  text "4. SIGNAL LAYERS: 1,4" at 169.359,113.086 h3
  text "a) WEIGHT: 2oz" at 174.359,106.99 h3
  text "5. PLANES: 2" at 169.359,101.894 h3
  text "a) WEIGHT: 2oz" at 174.359,96.797 h3
  text "6. SOLDER MASKS: Red" at 169.359,91.701 h3
  text "7. SILKSCREEN: White" at 169.359,86.604 h3
  text "8. SURFACE FINISH: HASL (With Lead)" at 169.359,81.508 h3
  text "9 FINISHED COPPER: 2oz Cu" at 169.359,76.412 h3
  text "10. TOTAL THICKNESS: 1.6mm" at 169.359,71.315 h3

## Dimensions
152.5,90 to 152.5,123.25 on Drill Drawing
152.5,40 to 152.5,14.25 on Drill Drawing
22.5,90 to 22.5,90 on Top Overlay
22.5,128.25 to 22.5,9.25 on Drill Drawing
17.5,123.25 to 157.5,120.75 on Drill Drawing

## Text inside footprints (layer, text, board x,y; h text height)
U6: Bottom Overlay "HV+" at 52.5,92.5 h2.5; Bottom Overlay "HV-" at 40,92.5 h2.5